# KiCad board Rogelio Pineda - connect 8 AMLDC-2044B.kicad_pcb (continued)
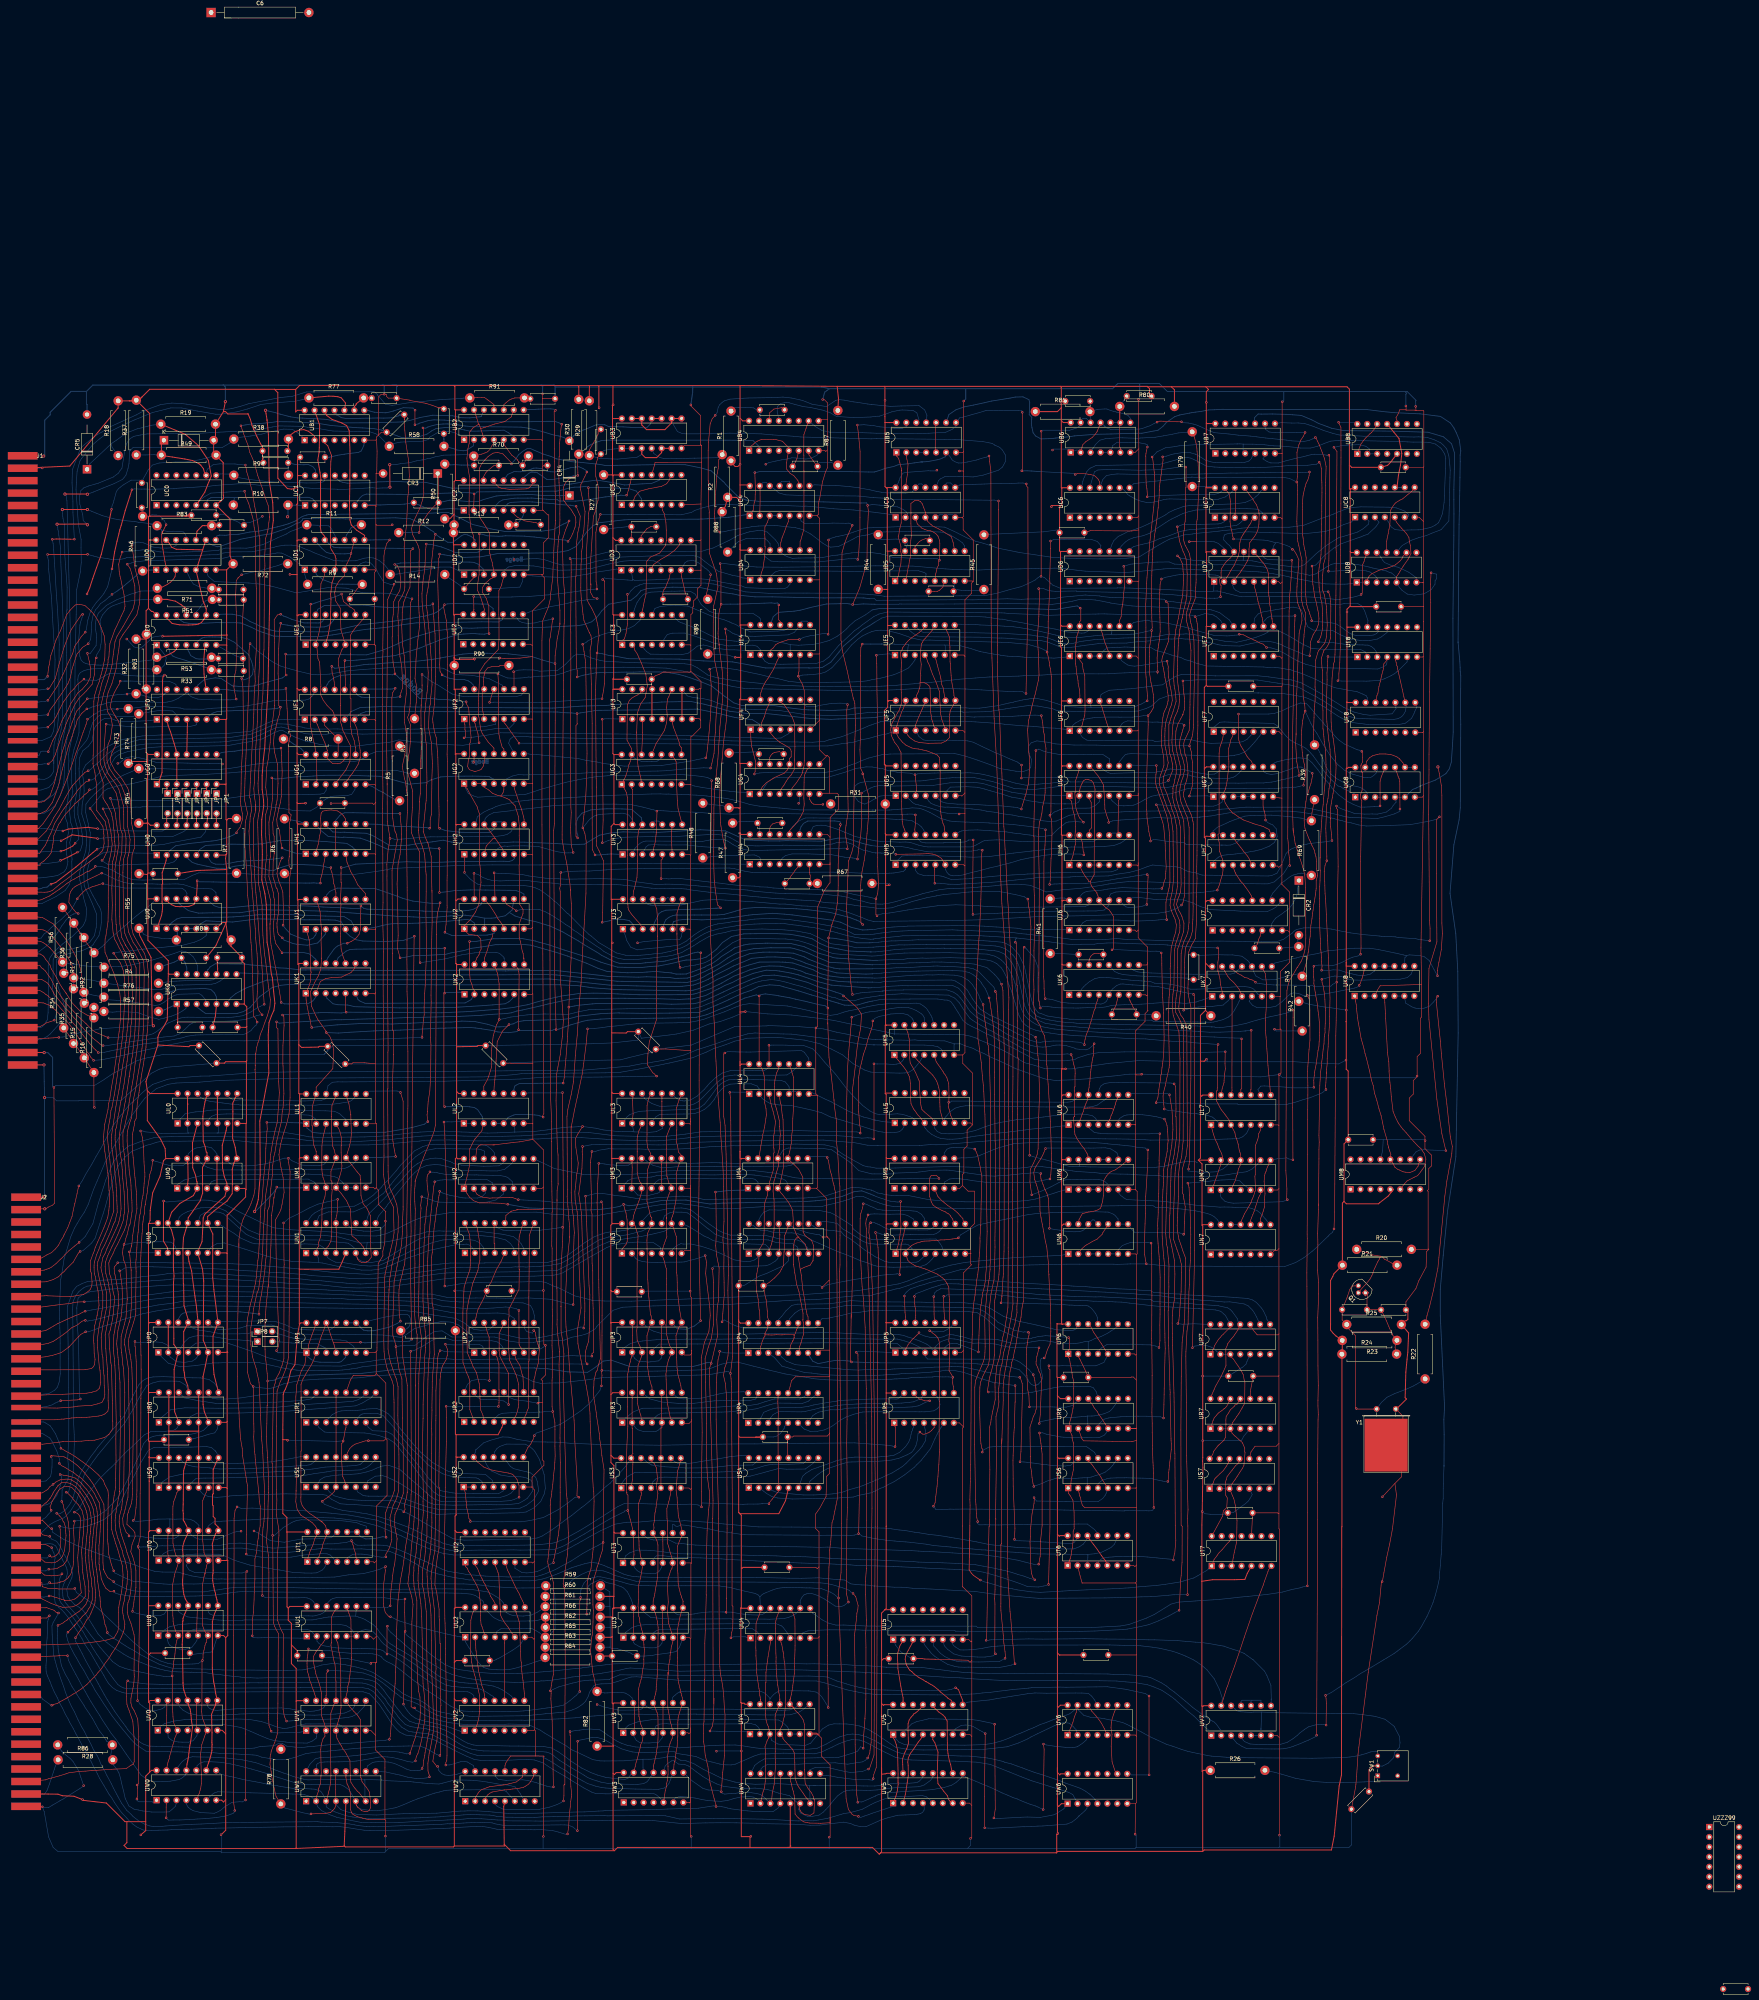
[diagram p0: board, top side]
## Routing (per net, layer and track width the routed paths; a pad name or vN(x,y) marks a point on that pad's centre or on a via; arc(x,y) is an arc through that point) (continued)
E5p4: length 20.2
  Top w0.15: UF5.6 311.03,322.86 310.59,324.02 310.23,325.74 310.15,327.91 309.98,331.2 309.59,332.27 309.15,333.47 308.75,334.37 308.22,335.59 307.83,336.64 307.43,337.88 306.98,338.74 306.7,339.69 UE5.4
E5p9: length 42.5
  Top w0.15: UE5.9 311.84,346.7 312.3,345.67 312.51,345.09 312.59,343.45 312.68,342.59 312.67,342.35 312.7,338.79 312.76,338.26 312.86,336.92 312.97,335.3 313.06,334.19 313.22,333.1 313.66,330.81 313.69,330.16 UF5.8 313.4,327.43 312.76,326.32 312.62,325.35 312.6,324.57 312.56,323.79 312.63,323.4 312.6,319.46 311.76,318.58 310.53,318 307.06,317.94 304.77,318.15 303.68,318.53 302.77,319.11 302.28,319.53 302.11,319.78 301.81,320.08 UF5.2
E5p10: length 35.1
  Top w0.15: 305.05,333.49 305.03,332.58 304.84,331.9 304.58,331.06 304.08,330.06 304.31,329.25 UF5.12 ; 305.05,333.49 306.15,333.39 306.81,333.08 307.3,332.67 307.59,332.09 307.72,325.96 307.87,325.1 308.03,324.02 308.25,323.45 308.47,322.63 UF5.5 ; 305.05,333.49 305.23,335.26 305.17,335.79 305.33,338.16 305.13,339.57 305.21,341.86 305.38,343.32 305.66,343.78 306.06,344.46 306.35,344.74 308.06,346.7 308.28,346.96 308.41,347.72 UE5.10
E5p11: length 57.6
  Top w0.15: UH5.13 301.17,295.65 301.03,296.03 300.72,296.72 300.47,298.03 300.46,298.68 300.46,299.54 300.41,299.84 300.3,303.09 300.16,315.63 299.75,316.34 299.49,316.95 298.97,317.65 298.52,318.19 298.2,318.88 298.13,319 297.67,319.98 297.64,320.78 297.54,321.3 297.58,321.86 297.82,322.89 297.99,323.36 298.27,323.76 298.64,324.51 299.25,325.66 299.66,326.32 299.86,326.82 300.26,328.08 300.23,330.84 300.21,331.57 300.2,336.86 300.31,338.46 300.01,341.13 300.5,342 300.56,342.32 301.4,343.45 301.83,343.97 302.27,344.4 303.31,345.22 303.79,345.52 304.2,345.8 304.92,346.33 305.96,347.29 UE5.11
E5p12: length 141.7
  Top w0.15: UE7.8 395.04,349.05 394.93,349.97 ; UD7.10 390.34,366.56 391.03,366.04 391.81,365.15 392.09,364.75 392.35,364.46 392.75,364 393.26,363.24 393.65,362.56 393.86,361.99 394.11,361.07 394.09,356.49 394.15,355.7 394.28,354.98 394.31,353.97 394.41,353.3 394.5,352.82 394.64,351.84 394.8,350.77 394.97,349.68
  Bottom w0.15: 376.03,345.54 375.88,345.56 ; 375.88,345.56 375.12,345.69 374.43,345.78 372.99,345.9 372.33,345.83 368.25,345.75 367.01,345.54 366.02,345.3 364.77,345.15 364.75,345.17 362.62,344.95 361.25,344.93 358.31,344.87 356.93,344.83 355.16,344.73 353.72,344.66 350.39,344.45 349.49,344.4 346.79,344.05 345.78,343.88 344.22,343.5 343.81,343.42 342.87,343.32 341.36,343.42 340.52,343.7 339.24,344.29 337.56,344.87 336.48,345.16 334.81,345.34 333.35,345.6 331.95,345.68 326.93,345.98 318.9,346.18 308.41,346.31 306.4,346.31 305.85,346.24 305.24,346.57 304.93,346.81 304.72,346.97 UE5.12 ; 375.88,345.56 376.93,345.28 378.42,344.82 380.9,344.39 382.9,344.01 385.97,343.76 388.39,344.31 391.01,345.06 392.88,345.78 393.33,346.01 393.92,346.34 394.2,346.84 394.76,347.11 UE7.8 396.37,346.82 397.37,346.35 397.98,346.04 398.75,345.64 400.02,344.92 402.9,343.21 405.2,342.15 408.51,341.93 411.04,341.96 417.59,341.9 418.88,341.24 UE8.2
E5p13: length 152.3
  Top w0.15: v1(404.6,340.27) 404.79,342.2 404.74,343.06 404.77,343.79 405.46,345.63 406.38,347.12 406.78,348.21 406.96,349.75 406.85,351.11 406.7,351.78 406.17,354.3 405.82,355.54 405.69,356.74 405.55,357.57 405.4,358.56 405.32,359.83 405.31,360.69 405.28,362.38 v1(405.18,363.21)
  Bottom w0.15: UE5.13 302.03,347.41 302.38,346.75 302.78,346.4 303.47,345.89 304.45,345.34 305.44,345.25 305.74,345.17 320.47,345.04 323.3,344.89 325.28,344.83 325.9,344.83 327.37,344.78 328.36,344.67 330.78,344.52 332.97,344.32 334.78,344.23 335.69,344.24 337.95,343.7 338.64,343.41 340.22,342.81 341.25,342.46 342.68,342.41 343.73,342.48 344.54,342.56 345,342.67 346.1,342.81 347.12,342.96 349.19,343.22 350.53,343.39 352.48,343.52 353.46,343.48 354,343.51 357.85,343.55 358.77,343.7 360.94,343.92 361.78,343.97 364.44,344.16 365.11,344.33 366.76,344.47 368.25,344.6 369.33,344.57 371.75,344.68 372.83,344.56 373.35,344.57 374.67,344.46 376.84,344.14 380.96,343.21 ; v1(404.6,340.27) 404.12,340.33 403.82,340.34 402.91,340.71 398.24,342.65 397.18,343.22 395.37,343.76 393.81,344.02 392.28,343.95 389.42,343.38 386.8,342.78 382.96,342.88 382.35,342.96 381.42,343.09 380.96,343.21 ; v1(405.18,363.21) 406.16,363.48 408.27,365.8 410.76,367.8 411.49,368.2 411.81,368.42 412.48,368.84 412.97,369.02 414.9,369.72 417.4,370.59 417.72,370.67 418.26,370.92 419.48,371.36 421.49,373.23 422.3,374.39 UC8.3 ; 380.96,343.21 381.07,343.18
E6p2: length 66.7
  Top w0.15: UE6.2 345.82,339.28 346.47,338.38 346.71,336.72 347.12,335.24 347.19,326.47 347.18,326.16 347.11,325.07 346.82,324.07 346.55,323.02 346.45,322.59 346.19,322.15 345.85,321.16 UF6.2
  Bottom w0.15: UF7.5 389.77,320.19 389.47,319.88 388.58,318.96 387.53,318.4 386.45,318.15 379.44,317.93 378.1,318.07 375.61,318.52 373.95,318.94 372.07,318.91 370.9,318.91 370.19,318.86 368.86,318.78 367.67,318.62 365.07,318.39 364.38,318.72 362.71,318.76 348.6,318.61 347.66,318.76 346.54,319.44 345.82,320.48 UF6.2
E6p3: length 75.7
  Bottom w0.15: UF8.13 419.32,328.8 419.32,329.57 419.03,330.08 418.44,330.38 418.08,330.55 416.69,331.12 414.51,331.5 411.01,332.14 408.27,333.19 406.16,334.25 403.7,335.3 402.81,335.68 400.74,336.36 399.66,336.74 398.46,336.91 397.41,337.13 395.72,337.33 393.74,337.34 392.77,337.44 378.19,337.69 377.19,337.99 375.64,338.39 374.1,338.97 372.71,339.32 371.72,339.83 369.29,340.49 367.63,341.06 365.3,341.65 364.04,342.37 362.51,342.38 362.07,342.4 361.65,342.49 359.58,342.49 359.54,342.45 358.04,342.52 357.29,342.53 356.04,342.45 355.38,342.48 354.68,342.43 354.29,342.36 352.82,342.34 352.82,342.33 351.95,341.6 UE6.4 UE6.3
E6p6: length 193.6
  Top w0.15: v1(368.15,338.91) 368.31,338.2 368.47,337.42 368.41,337.06 368.53,334.89 368.93,332.48 369.12,331.69 369.39,330.04 369.48,328.95 369.26,327.76 368.82,326.71 367.87,323.47 367.71,322.41 367.62,321.66 367.63,321.24 367.58,319.74 367.61,318.71 367.58,317.76 367.71,316.9 367.84,316.39 368.45,312.96 368.1,311.5 367.87,311.02 367.25,309.4 367.17,308.39 367.12,307.89 367.3,307.01 368.2,304.82 368.64,303.44 368.99,302.56 369.38,301.12 370.05,299.38 370.53,296.86 370.65,296.3 370.8,282.57 370.78,281.39 370.66,280.49 370.56,279.73 370.06,277.97 369.87,276.64 370.23,275.24 370.61,274.36 371.28,272.79 371.44,271.44 371.42,270.86 371.38,269.72 371.01,268.96 370.93,268.36 370.39,266.82 370.02,264.97 369.9,255.67 369.89,255.65 369.73,254.55 369.64,253.76 369.46,250.76 369.72,248.48 370.71,245.56 371.19,244.23 371.36,239.31 371.45,237.33 371.4,218.38 371.17,215.02 371.15,214.64 370.66,211.8 370.24,208.81 370.19,207.99 369.88,199.68 369.85,198.81 369.78,191.32 370.66,188.73 371.23,187.11 371.43,186.49 371.57,185.78 371.81,184.9 371.8,182.89 371.74,177.86 371.29,171.78 371.17,170.64 371.1,170.14 v1(370.9,169.74)
  Bottom w0.15: UE6.6 356.46,339.1 357.24,338.51 358.12,337.95 358.63,337.77 359.88,337.65 361.5,337.83 363.38,338.13 364.39,338.32 366.07,338.58 366.53,338.69 367.22,338.85 367.81,338.91 v1(368.15,338.91) ; UP7.14 375.12,169.69 372.11,169.57 v1(370.9,169.74)
E6p8: length 83.2
  Top w0.15: UF8.12 421.77,330.14 422.03,330.74 422.29,332.42 422.61,333.67 422.95,335.13 423.02,335.44 423.31,336.57 423.47,337.05 423.52,338.21 424.4,339.3 UE8.4 ; v1(393.57,342.41) 392.71,343.27 391.71,343.63 390.74,344.18 390.34,344.32 389.48,344.73 388.91,344.98 387.72,345.63 387.07,345.78 v1(386.59,345.8)
  Bottom w0.15: UE8.4 424.3,338.37 424.13,337.96 423.47,337.5 422,336.92 407.05,337.26 406.11,337.45 403.62,338.12 401.61,338.92 400.1,339.74 398.25,340.86 396.19,341.89 394.68,342.32 v1(393.57,342.41) ; 375.63,346.78 376.37,346.55 380.13,345.5 383.39,345.37 384.18,345.4 384.74,345.46 385.43,345.56 386.04,345.58 v1(386.59,345.8) ; 375.63,346.78 374.46,347.07 372.75,347.61 370.62,348.08 368.26,348.63 365.35,349 364.26,349 363.26,349.4 361.92,349.19 361.13,349.12 359.61,348.78 UE6.8 ; 375.63,346.78 375.75,346.75
E6p9: length 431.2
  Top w0.15: v1(435.61,361.51) 435.44,358.62 435.42,354.66 435.52,353.83 435.38,342.07 435.23,331.05 435.08,315.09 435.08,311.26 435,299.65 435.21,272.7 435.35,270.71 435.35,267.59 v1(435.26,267.5) ; UC8.5 426.71,374.5 427.46,373.54 428.03,372.9 428.73,372.15 429.39,371.42 429.95,370.47 430.07,369.4 430.34,368.45 430.47,366.39 429.71,364.93 428.5,363.21 427.65,361.85 427.37,361.33 426.77,360.46 UD8.5 ; UE6.9 355.98,349.31 356.41,350.25 356.65,352.78 356.82,353.44 357.07,356.16 357.24,357.92 357.17,363.06 v1(357.08,363.15) 357.05,363.18
  Bottom w0.15: 376.14,363.53 375.56,363.48 370.05,363.71 368.66,364.27 365.64,364.22 363.33,364.11 360.12,363.82 359.29,363.74 358.8,363.7 v1(357.08,363.15) ; 376.14,363.53 376.27,363.54 ; 376.14,363.53 386.1,363.57 391.14,363.17 391.94,363.04 392.71,363.01 393.28,362.8 395.73,362.43 397.43,362.18 398.55,361.97 399.73,361.89 401.02,361.58 403.13,361.18 404.61,360.84 406.22,361.23 407.74,362.24 408.28,362.58 408.87,362.97 409.3,363.2 410.12,363.66 410.87,363.82 413.49,363.85 414.49,363.69 416.71,363.62 417.65,363.45 419.74,362.97 420.74,362.71 423.14,362.2 424.13,361.98 424.9,361.63 425.5,361.44 425.98,361.07 426.77,360.27 ; v1(435.61,361.51) 435.64,361.51 436.28,361.31 437.03,361.15 437.06,360.03 436.63,359.45 436.61,358.59 435.66,357.2 433.81,356.12 431.28,355.8 429.51,356.06 428.2,357 427.5,357.76 UD8.5 426.79,360.25 426.77,360.27 ; 426.77,360.27 426.77,360.12 ; UJ3.1 229.83,268.52 230.07,267.63 231.08,265.89 232.74,265.2 236,265.56 237.89,265.7 241.33,266.12 243.54,266.45 245.25,267.39 247.31,269.01 248.65,269.9 250.44,270.9 251.9,271.45 253.33,271.82 256.1,272.18 257.07,272.37 260.9,272.8 262.67,273.04 266.62,273.25 271.6,272.94 272.99,272.73 275.37,272.43 276.89,272.23 278.73,271.9 282.13,271.3 284.01,270.78 285.61,270.36 286.47,270.06 288.4,269.06 292.43,269.09 293.3,269.22 295.1,269.49 295.83,269.57 297.72,269.8 298.61,269.9 300.44,270 302.17,270.08 303.23,270.09 313.32,270.3 314.68,270.23 318.27,270.08 320,270.01 325.6,269.77 328.49,269.65 330.97,269.31 332.16,269.22 334.87,268.9 337.18,268.68 342.1,268.11 343.62,267.89 349.83,267.77 351.67,267.84 352.44,267.84 355.35,268.09 356.89,267.93 358.13,267.84 375.38,267.32 376.03,267.39 381.66,267.43 388.12,267.36 392.34,267.37 396.3,267.34 397.9,267.89 399.44,269 400.13,269.48 400.62,269.99 401.17,270.37 402.99,270.79 404.32,270.82 407.21,270.82 410.11,270.5 412.25,270.05 414.97,269.54 418.08,269.11 422.37,268.73 422.9,268.66 423.63,268.62 426.42,268.52 427.23,268.35 431.72,268.03 432.31,267.88 v1(435.26,267.5)
E6p11: length 8.1
  Top w0.15: UE6.5 353.34,341.18 352.99,341.78 352.7,342.58 352.25,343.73 351.8,345.21 351.62,345.89 351.3,346.92 UE6.11
E7p10: length 42.5
  Bottom w0.15: UE7.10 390.51,349.89 391.43,350.99 392.58,351.48 394.55,351.83 395.89,352.06 398.21,352.44 398.85,352.65 400.44,352.72 402.03,352.39 402.53,351.9 403.33,349.56 404.09,347.72 405.5,346.85 410.32,346.81 412.52,345.62 415.22,344.52 417.42,344.23 419.99,344.2 421.86,344.56 422.82,345.07 424.37,346.24 UE8.11
E8p6: length 91.9
  Top w0.15: v1(411.97,399.92) 412.18,399.46 412.58,398.6 412.59,392.8 412.59,390.87 412.56,379.18 412.55,374.85 412.5,367.34 412.47,365.81 412.33,354.67 412.33,352.67 412.35,349.35 412.41,342.5 412.28,338.59 412.17,337.26 412.04,335.67 412.04,334.17 v1(411.8,333.92)
  Bottom w0.15: v1(411.8,333.92) 412.8,333.84 418.35,333.84 419.04,333.81 419.8,333.85 422.54,334.02 423.65,334.41 425.42,335.22 ; 425.37,335.2 426.17,335.67 426.78,336.09 426.85,336.22 427.21,336.46 429.48,338.73 UE8.6 ; v1(411.97,399.92) 411.98,399.93 416.52,399.93 416.76,399.7 UB8.14
EOT: length 170.1
  Top w0.15: 82.92,135.86 83.07,136.01 86.09,135.75 86.47,135.66 87.74,134.93 88.68,134.31 89.77,133.44 91.45,131.76 92.96,129.88 93.78,128.71 94.61,127.21 95.55,125.41 96.48,123.55 96.55,122.25 96.47,119.61 96.25,111.04 96.25,108.62 96.41,106.92 ; v1(99.01,103.82) 97.45,104.87 96.62,106.37 96.41,107.07 96.41,106.8
  Top w0.25: R60.1 209.27,97.47 R61.1
  Bottom w0.15: 83.06,135.77 v1(83.02,135.77) 83.26,135.08 83.23,133.09 83.14,132.02 82.86,130.68 81.69,129.54 J2.48 ; v1(99.01,103.82) 99.22,103.47 99.53,103.26 100.72,102.68 102.03,102.05 102.6,101.88 103.58,101.61 103.98,101.48 105.12,101.4 105.8,101.31 106.91,101.23 107.57,101.22 122.09,101.23 123.57,101.45 126.01,101.79 127.14,101.98 128.62,102.22 129.69,102.3 130.11,102.33 134.01,102.42 136.35,102.45 143.57,102.32 144.92,102.29 150.81,102.13 162.29,101.94 169.48,101.94 169.55,101.87 181.42,101.99 183,101.97 183.86,101.99 187.92,101.93 189.37,101.86 190.82,101.77 194.43,101.23 195.66,100.67 196.55,100.12 197.32,99.66 198.12,98.94 198.53,98.46 198.66,98.14 UU2.10 199.31,95.91 200.24,95.42 201.11,95.15 201.93,95.1 203.71,95.04 205.72,95.31 207.18,96.01 207.92,96.46 R61.1
F0p2: length 17
  Top w0.25: UG0.3 UG0.12 114.97,315.26 114.94,316.19 114.44,317.89 113.5,320.9 112.92,322.42 UF0.2
F0p4: length 9
  Top w0.25: UG0.11 117.8,320.78 117.8,322.12 117.83,322.48 117.84,323.06 UF0.4
F0p8: length 274.4
  Top w0.15: UP1.13 149.6,166.69 148.69,164.06 148.76,163.59 UP1.1 147.85,159.32 146.92,157.67 146.5,156.37 145.78,154.12 145.53,151 145.5,141.34 145.65,129.93 145.6,127.04 ; UT1.1 148.68,110.11 148.89,110.7 149.04,111.28 149.35,111.93 149.59,112.51 149.96,113.39 150.37,114.82 150.76,115.48 UT1.13 150.79,117.54 150.58,117.97 149.72,118.9 148.8,119.53 146.83,120.79 146.24,121.72 145.88,122.27 145.51,124.28 145.58,125.42 145.57,126.38 145.6,127.04 ; v1(140.6,162.83) 141.09,163.95 141.29,165.44 141.2,166.21 140.9,174.13 140.59,182.72 140.34,196.21 141.38,198.11 141.71,198.82 142.03,200.26 142.54,203.28 142.27,207.08 141.72,209.7 141.22,212.84 141.4,213.93 141.68,215.72 141.9,216.43 142.1,217.29 142.52,218.66 143.21,220.82 143.81,223.4 144.06,227.43 143.85,276.07 143.81,276.11 143.95,278.94 143.86,282.96 144.3,285.78 143.8,286.61 143.75,288.05 143.86,289.13 143.85,289.07 143.9,291.97 143.87,296.47 143.9,297.52 144.09,298.22 144.34,299.66 143.78,300.22 143.78,301.34 143.77,302.21 143.73,309.37 143.67,310.98 143.67,315.82 143.6,317.37 144.06,319.6 144.23,319.78 143.58,322.14 143.3,326.83 143.17,329.07 v1(143.01,331.98) ; 145.6,127.04 145.63,126.94
  Bottom w0.2: v1(140.6,162.83) 140.6,162.68 140.98,162.3 145.78,162.46 UP1.1 148.58,161.27 149.47,160.55 150.41,160.07 151.71,159.87 156.35,159.85 156.75,159.89 157.17,160.05 158.23,161.09 UP1.5 ; v1(143.01,331.98) 142.43,331.65 139.59,331.5 139.29,331.47 137.95,331.47 134.15,331.31 132.54,331.27 130.63,331.33 129.43,331.42 128.36,331.58 127.32,331.67 UF0.8
F0p10: length 465.2
  Top w0.15: v1(367.93,354.17) 368.41,353.69 368.66,345.87 368.46,343.87 368.28,343.39 367.66,341.82 367.37,341.03 366.96,340.07 366.81,339.12 367.09,337.61 367.23,337.09 367.39,336.1 367.53,335.48 367.59,334.81 367.78,333.9 368,332.9 368.13,332.15 368.3,331.02 368.43,330.15 368.43,328.88 368.37,328.62 368.29,328.12 367.97,327.13 367.43,325.99 367.28,325.48 367.09,324.57 366.9,323.26 366.85,322.25 366.7,319.84 366.66,318.77 366.75,317.35 367.05,315.62 367.3,314.41 367.36,312.35 367.04,311.34 366.54,309.98 366.16,308.72 366.25,307.3 366.6,306.11 367.18,304.29 367.58,303.25 368.23,301.36 369.12,299.37 369.67,295.46 369.7,291.99 369.86,283.93 369.52,280.36 369.09,278.39 368.9,276.55 369.26,275.15 369.85,273.78 370.2,272.99 370.52,271.56 370.36,269.72 369.96,268.56 369.58,267.1 369.2,265.73 368.99,261.79 369.02,261.06 368.94,260.44 369.02,257.25 368.93,256.18 368.73,253.68 368.65,252.97 368.54,249.31 368.48,249.09 368.57,244.8 368.72,236.56 368.76,235.91 368.7,235.58 368.69,235.15 367.9,231.64 367.74,230.61 367.47,229.7 367.23,228.63 367.12,227.87 367.16,226.77 367.29,225.79 v1(367.43,224.54) ; v1(143.07,335.39) 142.94,335.52 v1(142.94,340.74)
  Bottom w0.15: 292.06,354.88 293.41,354.88 293.82,354.47 315.6,354.62 318.54,354.58 319.85,354.61 327.33,354.86 330.92,354.72 332.42,354.79 334.47,354.81 336.48,354.81 337.65,354.87 339.54,354.97 341.24,355.25 343.47,355.47 343.88,355.48 344.24,355.52 346.42,355.74 347.25,355.81 348.46,355.71 350.89,355.59 351.47,355.44 353.53,355.23 354.17,355.19 355.06,355.18 360.73,355.04 362.2,354.97 366.78,354.77 367.5,354.72 367.8,354.17 v1(367.93,354.17) 368.97,354.12 369.72,354.09 371.45,353.83 372.54,353.77 373.57,353.73 376.32,353.5 378.42,353.4 ; 375.63,223.34 378.28,222.99 379.66,222.5 380.1,222.21 UL7.2 ; 375.63,223.34 375.27,223.34 372.6,223.65 370.53,224.01 369.46,224.1 368.48,224.15 v1(367.43,224.54) ; 375.63,223.34 375.77,223.34 ; 378.42,353.4 378.6,353.4 ; 378.42,353.4 386.86,353.4 387.26,353.45 388.95,353.41 393.68,353.66 395.16,353.72 395.7,353.74 403.38,353.97 404.77,353.94 406.57,353.97 407.95,353.85 409.36,353.61 409.88,353.51 410.27,353.46 412.32,353.39 413.47,353.66 416.88,353.66 416.93,353.6 417.9,353.03 418.6,351.86 419.48,349.31 UE8.13
  Bottom w0.2: v1(143.07,335.39) 142.16,334.66 140.61,334.22 138.58,333.69 134.66,332.56 133.32,332.49 131.82,332.41 129.31,332.62 126.48,334.48 124.96,334.67 122.11,334.17 120.52,332.83 UF0.10 ; v1(142.94,340.74) 143.35,340.55 148.84,340.63 150.08,340.63 163.64,340.54 167.66,341.71 169.99,342.64 172.91,343.98 175.04,344.77 176.66,345.32 181.21,346.67 187.15,347.43 190.52,347.34 192.02,347.41 197.39,347.53 208.39,347.55 217.62,348 218.64,348.16 219.41,348.36 221.17,348.99 222.51,350.23 223.01,350.81 223.64,351.72 225.48,353.46 231.16,354.49 232.63,355.63 233.69,356.91 235.31,357.49 241.75,357.81 248.99,357.71 254.51,356.47 257.2,356.11 258.66,355.79 262.86,355.34 267.25,355.34 273.59,355.21 276.44,355.18 280.3,355.07 286.36,355.12 290.65,355.07 292.18,354.86
F0p12: length 264
  Top w0.15: 103.47,183.29 103.12,187.13 v1(102.99,188.06) 103.23,188.3 103.23,188.36 103.61,189.81 ; 101.8,164.24 101.82,165.72 102.38,168.19 103.04,170.37 ; 99.61,324.49 98.08,327.23 98.5,329.25 99.13,330.83 99.87,332.21 100.35,332.98 v1(100.66,333.82) ; 103.57,189.46 103.84,192.15 104.23,194.69 104.93,199.08 104.9,200.09 104.83,202.61 104.77,203.57 104.44,206.97 104.32,208.06 103.96,212.22 103.86,213.3 103.76,217.98 104.01,219.14 104.01,219.34 104.36,220.78 104.33,221.37 104.73,222.11 104.94,224.63 105.04,226.22 105.48,228.85 105.52,229.21 105.99,232.46 106.12,233.32 106.61,236.01 106.81,237.51 107.25,240.34 107.25,240.55 107.45,243.07 107.65,244.77 107.75,246.63 107.74,247.8 107.83,258.81 107.85,259.28 107.54,262.12 107.21,263.11 106.86,264.3 105.2,266.95 103.96,269.21 103.47,271.34 103.59,274.72 103.54,275.54 103.54,285.05 103.49,285.98 103.7,289.57 104.27,291.13 104.27,293.39 104.18,295.01 103.86,296.07 103.57,297.49 103.56,297.81 103.44,300.55 103.47,300.59 103.32,302.49 103.32,303.13 102.81,305.87 102.55,306.54 101.08,308.9 99.81,310.44 99.31,311.01 98.25,313.03 98.14,314.18 98.54,315.54 99.05,316.51 99.39,317.3 100.36,319.76 100.84,321.18 100.58,322.52 100.13,323.76 99.48,324.72 ; 103.45,183.5 103.52,175.93 103.55,174.89 103.3,171.4 102.96,170.07 ; 101.8,164.49 102.04,162.95 102.75,158.17 102.75,155.48 102.79,154.99 103.1,134.21 102.65,126.49 102.65,125.42 102.46,124.75 102.35,124.16 101.91,122.27 101.64,121.25 101.29,120.03 101.39,118.4 102.22,116.34 102.9,115.81 v1(102.9,115.49)
  Bottom w0.15: v1(102.9,115.49) 105.25,115.49 106.6,115.27 107.24,115.15 108.52,115.06 109.45,114.93 109.68,114.93 110.52,114.93 111.1,114.87 112.37,114.84 113.12,114.83 114.05,114.82 114.57,114.9 115.05,115.18 115.7,115.6 UT0.12 ; v1(100.66,333.82) 102.47,333.82 ; UF0.12 114.9,333 113.87,333.51 113.15,333.75 106,333.75 103.23,333.85 101.56,333.82 ; v1(102.99,188.06) 103.94,187.86 104.66,187.83 108.99,187.83 UN0.1
F1p2: length 17.3
  Top w0.15: UF1.2 150.98,322.84 151.6,321.33 152.2,319.77 152.97,318.02 153.6,316.07 UG1.12 153.77,313.84 154.9,312.81 156.27,312.72 157.03,312.92 157.65,313.43 158.03,313.86 158.26,315.05 UG1.10
F1p3: length 10.6
  Top w0.15: UF1.3 152.92,322.49 R8.2 156.35,315.7 UG1.11
F1p6: length 208.7
  Top w0.15: UF1.6 160.54,323.1 161.14,321.72 161.36,320.16 161.49,319.52 161.65,318.64 161.75,317.92 161.97,316.1 161.98,315.67 161.98,314.34 162.01,314.31 161.46,312.62 160.99,311.8 159.98,310.27 159.42,309.58 158.56,308.33 UG1.5 ; UJ3.13 231.79,280.15 232.02,280.77 232.39,282.36 232.7,283.63 232.87,287.63 232.84,287.99 232.87,289.17 232.87,293.59 233.07,295.39 233.25,295.99 UH3.12 ; v1(217.55,293.78) 217.11,294.21 217.11,322.51 217.52,322.92 217.39,323.04 v1(217.39,325.54) ; UF4.12 266.24,327.51 265.74,326.47 265.28,324.83 264.61,323.34 UF4.2
  Bottom w0.2: UF4.2 263.95,322.86 262.14,324.01 260.22,324.22 259.4,324.32 257.97,324.51 256.5,324.82 253.09,325.67 248.25,326.66 237.21,326.52 222.31,326.35 219.95,325.96 218.32,325.72 v1(217.39,325.54) 215.87,325.71 214.82,325.74 213.96,325.77 212.39,325.93 211.35,325.95 170.4,326.07 170,326.08 169.83,326.1 164.48,326.1 163.41,326.02 162.15,325.56 160.54,324.36 UF1.6 ; UH3.12 233.83,298.94 231.35,301.06 228.88,301.19 225.06,301.22 223.21,301.13 220.92,300.93 218.69,300.12 217.6,298.89 217.11,297.53 217.3,295.5 217.4,294.87 217.58,294.5 v1(217.55,293.78)
F1p12: length 119.6
  Top w0.15: UG2.12 193.84,314.19 193.69,313.43 193.48,312.17 192.85,311.22 191.32,310.72 189.88,311.19 189.43,312.01 189.64,313.8 189.88,314.53 189.98,317.89 190.11,318.23 190.32,319.39 189.98,322.83 189.69,327.01 189.06,328.14 v1(189.06,328.56) 189.06,328.53 ; v1(170.86,335.65) 170.86,336.06 170.42,338.21 170.36,338.83 170.23,340.54 170.14,345.11 170.19,345.16 170.19,349.13 170.42,350.89 170.5,353 170.55,354.09 171.08,355.28 172.1,356.91 172.39,359.08 172.06,361.92 171.49,363.31 v1(170.79,363.61)
  Bottom w0.2: v1(170.79,363.61) 172.29,364.01 178.86,364.12 181.07,364.23 182.3,364.24 187.79,364.24 189.84,364.23 190.99,364.16 192.07,363.73 193.47,362.41 UD2.3 ; UF1.12 153.53,332.96 154,333.74 155.31,334.71 156.87,335.28 160.18,335.55 169.34,335.55 170.18,335.44 v1(170.86,335.65) 171.25,335.26 171.32,335.26 177.17,329.41 179.63,329.41 181.43,329.24 181.99,329.14 183.9,329.13 185.14,328.99 185.62,328.87 186.5,328.78 186.99,328.71 187.73,328.71 188.23,328.56 v1(189.06,328.56)